# Altium PCB main Var2.PcbDoc (part 2 of 2)
Units mil, origin at the board's own origin, x right, y up, seen from the top; angles counter-clockwise.
Board outline 6000 x 4000 mil, 2 copper layers (Top Layer, Bottom Layer); 262 components, 263 nets, 1037 pads, 23 vias.
Unrouted connection lines stored in the file: 705.
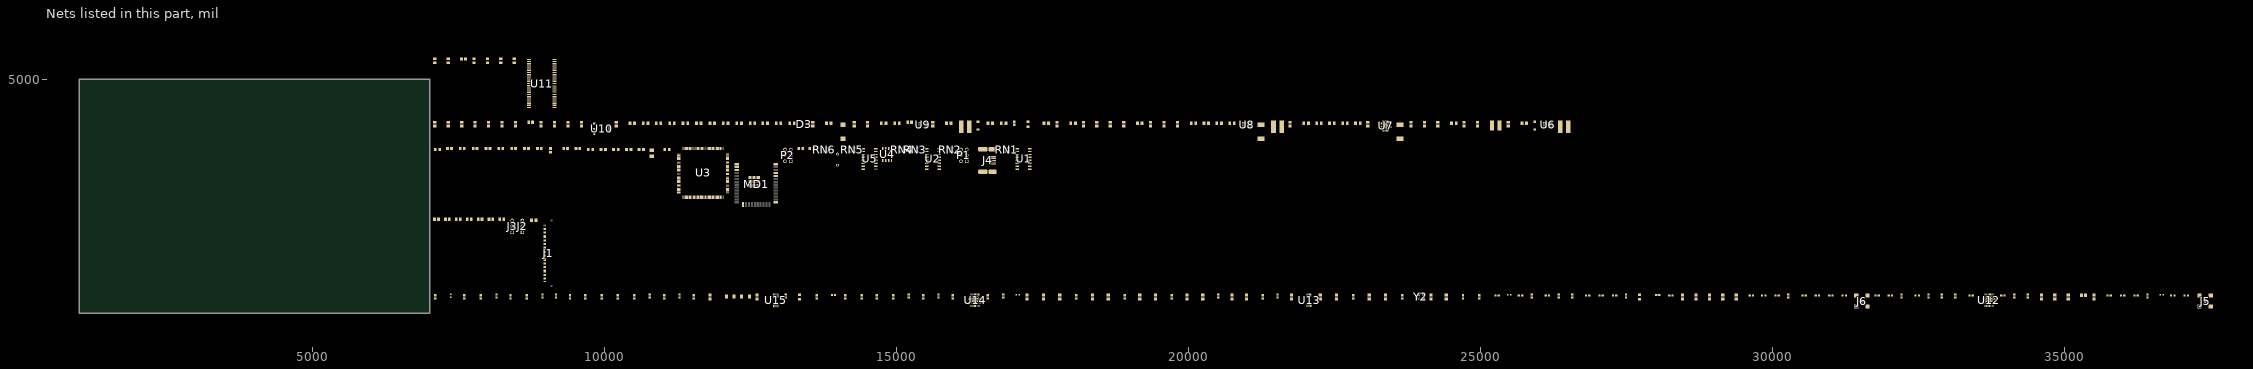
[diagram p2: the nets of this part, all layers, seen from the top]

## Part data
C1 C2 C3 C4 C5 C6 C7 C8 C9 C11 C12 C13 C14 C15 C16 C17 C18 C19 C20 C21 C22 C23 C24 C25 C26 C27 C29 C30 C32 C33 C34 C35 C36 C37 C38 C39 C40 C41 C42 C43 C45 C46 C47 C48 C49 C50 C51 C52 C53 C54 C55 C56 C57 C58 C59 C60 C61 C62 C63 C64 C65 C68 C69 C70 C71 C72 C86 C87 C88 C89 C90 C101 C102 C104 C105 C107 C108 C110 C111 C112 C114 C115 C116 C117 C119 C120 C122 C123 C125 C134 C136: library part CMP-2007-00957-1, Manufacturer=Murata, Part Number=GRM216R61E105KA12D
C10: library part CMP-04424-000155-1, "3.3uF 25V  ±20% 3.7? 1206  SMD Tantalum Capacitor", Capacitance=3.3uF, Case/Package=1206, Case Code (Metric)=3216, ESR (Equivalent Series Resistance)=3.7R, Leakage Current=800nA, Max Operating Temperature=125°C, Min Operating Temperature=-55°C, Package Quantity=2000, Tolerance=20%, Voltage Rating=25V, Case Code (Imperial)=1206, Construction=Flat, Depth=1.6mm, Dissipation Factor=6%, Features="General Purpose", Height=1.8mm, Height - Seated (Max)=0.071inch, Lead Free="Lead Free", Length=3.2mm, Mount="Surface Mount", Number of Pins=2, Packaging="Tape and Reel", Polarity=Polar, Radiation Hardening=No, RoHS Compliant=Yes, Series=TAJ, Termination=SMD/SMT, Voltage Rating (DC)=25V, Weight=0.000571oz, Width=1.6mm
C28 C31: library part CMP-04424-000507-1, "22uF 16V  ±20% 1.1? 2917  SMD Tantalum Capacitor", Capacitance=22uF, Case/Package=2917, Case Code (Metric)=7343, ESR (Equivalent Series Resistance)=1.1R, Leakage Current=3.5uA, Max Operating Temperature=125°C, Min Operating Temperature=-55°C, Package Quantity=1, Tolerance=20%, Voltage Rating=16V, Case Code (Imperial)=2917, Construction=Flat, Depth=4.3mm, Dissipation Factor=6%, Features="General Purpose", Height=3.1mm, Height - Seated (Max)=0.122inch, Lead Free="Lead Free", Length=7.3mm, Mount="Surface Mount", Number of Pins=2, Packaging="Tape and Reel", Polarity=Polar, Q Factor=6, Radiation Hardening=No, REACH SVHC="No SVHC", RoHS Compliant=Yes, Series=TAJ, Termination=SMD/SMT, Voltage Rating (DC)=16V, Width=4.3mm
C44: library part CMP-2000-07541-2, "CAP TANT 100UF 10% 16V 2917", Capacitance=100uF, Case/Package=Molded, Case Code (Imperial)=2917, Case Code (Metric)=7343, Dielectric Material=Tantalum, ESR (Equivalent Series Resistance)=700mR, Leakage Current=16uA, Max Operating Temperature=125°C, Min Operating Temperature=-55°C, Package Quantity=1, Ripple Current=463mA, Tolerance=10%, Voltage=16V, Depth=4.3mm, Dissipation Factor=8%, Features="General Purpose", Height=2.8mm, Height - Seated (Max)=0.122inch, Lead Free="Lead Free", Lead Pitch=3.6mm, Length=7.3mm, Life (Hours)=2000Hour, Mount="Surface Mount", Packaging="Tape and Reel", Polarity=Polar, Radiation Hardening=No, REACH SVHC="No SVHC", RoHS Compliant=Yes, Termination=SMD/SMT, Voltage Rating=16V, Voltage Rating (DC)=16V, Weight=0.023634oz, Width=4.3mm
C66 C67 C82 C83 C139 C145: library part CMP-2100-03642-1, "Chip Capacitor, 10 nF, +/- 10%, 50 V, -55 to 125 degC, 0603 (1608 Metric), RoHS, Tape and Reel", Case/Package=0603, Case Code (Metric)=1608, Dielectric=X7R, Dielectric Material=Ceramic, Insulation Resistance=10GR, Manufacturer=Murata, Max Operating Temperature=125degC, Min Operating Temperature=-55degC, Package Description="2-Pin Surface Mount Device, Body 1.6 x 0.8 mm", Package Quantity=1, Tolerance=10%, Voltage=50V, Capacitance=10nF, Case Code (Imperial)=0603, Datasheet URL=http://search.murata.co.jp/Ceramy/image/img/A01X/G101/ENG/GRM188R71H103KA01-01.pdf, Datasheet Version=42401.0, Depth=0.8mm, Height=0.8mm, Lead Free=LeadFree, Length=1.6mm, Manufacturer URL=http://www.murata.com/, Material=Ceramic, Mount=SurfaceMount, Number of Pins=2, Package Reference=0603, Packaging=TapeandReel, REACH SVHC=Unknown, RoHSCompliant=True, Termination=SMD/SMT, Thickness=0.035inch, Voltage Rating=50V, Voltage Rating (DC)=50V, Width=0.031inch
C73 C74 C75 C76 C77 C78 C79 C80 C81 C84 C85 C91 C92 C93 C94 C95 C96 C97 C98 C99 C100 C103 C106 C109 C113 C118 C121 C124 C126 C127 C128 C129 C130 C131 C132 C133 C135 C137 C138 C140 C141 C142 C143 C144 C146 C147: library part CMP-2100-03642-1, "Chip Capacitor, 10 nF, +/- 10%, 50 V, -55 to 125 degC, 0603 (1608 Metric), RoHS, Tape and Reel", Capacitance=10nF, Case/Package=0603, Case Code (Metric)=1608, Dielectric=X7R, Dielectric Material=Ceramic, Insulation Resistance=10GR, Manufacturer=Murata, Max Operating Temperature=125degC, Min Operating Temperature=-55degC, Package Description="2-Pin Surface Mount Device, Body 1.6 x 0.8 mm", Package Quantity=1, Tolerance=10%, Voltage=50V, Case Code (Imperial)=0603, Datasheet URL=http://search.murata.co.jp/Ceramy/image/img/A01X/G101/ENG/GRM188R71H103KA01-01.pdf, Datasheet Version=42401.0, Depth=0.8mm, Height=0.8mm, Lead Free=LeadFree, Length=1.6mm, Manufacturer URL=http://www.murata.com/, Material=Ceramic, Mount=SurfaceMount, Number of Pins=2, Package Reference=0603, Packaging=TapeandReel, REACH SVHC=Unknown, RoHSCompliant=True, Termination=SMD/SMT, Thickness=0.035inch, Voltage Rating=50V, Voltage Rating (DC)=50V, Width=0.031inch
D1 D2: library part CMP-2000-05114-2, "DIODE SCHOTTKY 40V 500MA SOD123", Average Rectified Current=500mA, Current Rating=500A, Forward Voltage=620mV, Max Forward Surge Current (Ifsm)=5.5A, Max Operating Temperature=125°C, Max Repetitive Reverse Voltage (Vrrm)=40V, Max Reverse Leakage Current=20uA, Min Operating Temperature=-65°C, Package Quantity=3000, Power Dissipation=400mW, Contact Plating=Tin, Element Configuration=Single, Forward Current=500mA, Height=1.03mm, Lead Free="Lead Free", Length=2.7mm, Max Reverse Voltage (DC)=40V, Max Surge Current=5.5A, Mount="Surface Mount", Number of Pins=2, Output Current=500mA, Packaging="Tape and Reel", Peak Non-Repetitive Surge Current=5.5A, Peak Reverse Current=20uA, Polarity=Standard, Radiation Hardening=No, REACH SVHC="No SVHC", Voltage Rating (DC)=40V, Weight=0.03g, Width=1.6mm
D3: library part CMP-1055-00559-1, "Dual Series Schottky Barrier Diodes, 3-Pin SOT-323, Pb-Free, Tape and Reel", Manufacturer="On Semiconductor", ComponentLink1Description="Manufacturer URL", ComponentLink1URL=http://www.onsemi.com/, ComponentLink2Description=Datasheet, ComponentLink2URL=http://www.onsemi.cn/pub_link/Collateral/BAT54SWT1-D.PDF, ComponentLink3Description="Package Specification", ComponentLink3URL=http://www.onsemi.com/pub_link/Collateral/419-04.PDF, Configuration=Dual, DatasheetVersion="Rev. 10", IFSM Max (A)=0.6, Mounting Technology="Surface Mount", PackageDescription="3-Pin Small Outline Transistor, Body 2 x 1.25 mm, Pitch 0.65 mm", PackageReference=SOT-323-3-419-04, PackageVersion="Rev. N, 11/2008", Packing="Tape and Reel", PartNumber=BAT54SWT1G, RoHS=TRUE, trr Max (ns)=5
J1: library part CMP-1241-00514-1, "0.5 mm Pitch Easy-On(TM) Type FPC Connector, 2.0 mm Mated Height, Right Angle, ZIF, SMT, Top Contact, 50 Circuits, -20 to 85 degC, ELV and RoHS Compliant, Tape and Reel", Current (Max per Contact)=0.5A, Manufacturer=Molex, Voltage (Max)=50V, Circuits (Loaded)=50, ComponentLink1Description="Manufacturer URL", ComponentLink1URL=http://www.molex.com/molex/index.jsp, ComponentLink2Description=Datasheet, ComponentLink2URL=http://www.molex.com/webdocs/datasheets/pdf/en-us/0541045031_FFC_FPC_CONNECTORS.pdf, ComponentLink3Description="Package Specification", ComponentLink3URL=http://www.molex.com/pdm_docs/sd/541045031_sd.pdf, Contact Position=Top, Durability (mating cycles max)=20, Entry Angle="90degrees Angle", Mated Height=2.00mm, Material - Metal="Phosphor Bronze", Mounting Technology="Surface Mount", Number of Rows=1, Orientation="Right Angle", PackageDescription="50-Lead FPC Connector, Pitch 0.5 mm", PackageReference=54104-5031, PackageVersion="Rev. F, 06/2012", Packing="Tape and Reel", PartNumber=54104-5031, PCB Locator=No, PCB Retention=Yes, Pitch - Mating Interface=0.50mm, Polarized to PCB=Yes, RoHS=TRUE, Stackable=No
J2 J3: library part CMP-04776-000653-1, "CONN HEADER VERT 3POS 2.54MM", Color=White, Contact Resistance=10mR, Current Rating=4A, Flammability Rating="UL94 V-0", Insulation Resistance=50GR, Max Operating Temperature=75°C, Max Voltage Rating (AC)=250V, Min Operating Temperature=0°C, Package Quantity=2000, Approvals=UL, Contact Material=Brass, Contact Mating Length=0.295inch, Contact Plating=Gold, Contact Type="Male Pin", Depth=2.34mm, Gender=Male, Glow Wire Compliant=Non-compliant, Halogen Free="Low Halogen", Height=10.79mm, Housing Color=White, Housing Material=Nylon, Lead Free="Lead Free", Length=7.37mm, Max Current Rating=4A, Mount="Through Hole", Number of Circuits=3, Number of Contacts=3, Number of Positions=3, Number of Rows=1, Orientation=Straight, Packaging=Bulk, Pitch=2.54mm, Radiation Hardening=No, Series="KK® 4030", Termination=Solder, Voltage Rating=250V, Voltage Rating (DC)=250V
J4: library part CMP-0411-00002-1, "USB, MINI, SMD, RA KME04-USBMU03A01", Manufacturer=Molex, ComponentLink1Description="Manufacturer URL", ComponentLink1URL=http://www.molex.com/, ComponentLink2Description=Datasheet, ComponentLink2URL=http://www.molex.com/pdm_docs/sd/675031020_sd.pdf, DatasheetVersion="Rev F, 06/2009", Mounting Technology="Surface Mount", PackageDescription="Mini USB Connector, SMT, Righer Angle", PackageReference=67503-1020, PartNumber=67503-1020, Terminal Pitch="0.8 mm"
J5 J6: library part CMP-04764-000006-1, "CONN SMA JACK STR 50 OHM SMD", Frequency=18GHz, Manufacturer=Molex, Manufacturer Part Number=73251-1350, Temperature="-65°C to +165°C", Temperature Range High=+165°C, Temperature Range Low=-65°C, Voltage Rating=500V, Automotive=No, Category=Conn, ComponentLink2Description=Datasheet, ComponentLink2URL=https://www.molex.com/pdm_docs/sd/732511350_sd.pdf, Conn Orientation=Straight, Contact Material=Gold, Device Class L1=Connectors, Device Class L2="RF / Coaxial Connectors", Device Class L3=unset, Digikey Description="CONN SMA JACK STR 50 OHM SMD", Footprint Url=https://forum.upverter.com/uploads/default/original/3X/d/a/daeafa2ce4908d4fc4e49f0b17d7d2c986fce444.pdf, Height=9.655mm, Impedance=50?, Is Female=yes, Lead Free=Yes, Mouser Description="RF Connectors / Coaxial Connectors SMA ST PCB-JCK STD SMT", Number of Contacts=1, Octopart=https://octopart.com/73251-1350-molex-5414390, Package=73251-1350, RoHS=TRUE, Shielding=true, Standoff Height=0.41mm
L1 L3 L4: library part CMP-0227-00369-1, "SMD Shielded Tiny Power Inductor WE-TPC, L = 3.90 µH", Inductance="3.90 AµH", ComponentLink1Description="Manufacturer Link", ComponentLink1URL=http://www.we-online.com, ComponentLink2Description=Datasheet, ComponentLink2URL=http://www.we-online.de/katalog/media/pdf/7440420039.pdf, DatasheetVersion="ver 6, Aug-2010", PackageDescription="SMD Inductor, 2-Leads, Body 4.8 x 4.8 mm", PackageReference=WE-TPC-4818-M, PackageVersion=2010
L2: library part CMP-0227-00477-1, "SMD Power Inductor WE-PD2, L = 10.0 µH", Inductance="10.0 AµH", ComponentLink1Description="Manufacturer Link", ComponentLink1URL=http://www.we-online.com, ComponentLink2Description=Datasheet, ComponentLink2URL=http://www.we-online.de/katalog/media/pdf/74477310.pdf, DatasheetVersion="ver 1, Oct-2004", PackageDescription="SMD Inductor, 2-Leads, Body 4.5 x 4.0 mm", PackageReference=WE-PD2-S, PackageVersion=2004
L5 L6 L7 L10: library part CMP-06042-004616-1, "Multilayer type RF Inductor 10nH ±5% 0.3? 650mA 0603", Case/Package=0603, Case Code (Metric)=1608, Current=35mA, Current Rating=400mA, DC Resistance (DCR)=300mR, Inductance=10nH, Inductance Tolerance=5%, Max Operating Temperature=85°C, Min Operating Temperature=-40°C, Package Quantity=4000, Self Resonant Frequency=3.5GHz, Test Frequency=100MHz, Case Code (Imperial)=0603, Core Material=Air, DC Current=400mA, Depth=0.95mm, Height=0.8mm, Lead Free="Lead Free", Length=1.6mm, Max DC Current=400mA, Military Standard=Not, Mount="Surface Mount", Packaging="Tape and Reel", Q Factor=12, Radiation Hardening=No, REACH SVHC="No SVHC", Shielding=Unshielded, Termination=SMD/SMT, Tolerance=5%, Width=0.031inch
L8 L9: library part CMP-0221-00030-1, "SMD-Multilayer Inductor WE-MI, L = 10.00 µH", Inductance="10.00 AµH", ComponentLink1Description="Manufacturer Link", ComponentLink1URL=http://www.we-online.com, ComponentLink2Description=Datasheet, ComponentLink2URL=http://www.we-online.de/katalog/media/pdf/7447918.pdf, DatasheetVersion="ver 5, Oct-2004", PackageDescription="Chip Inductor, 2-Leads, Body 3.2 x 2.5 mm", PackageReference=SMD-1210, PackageVersion=2007
LED1 LED2 LED3: library part CMP-1426-00011-1, "SMD mono-color Chip LED, WL-SMCW, Red", Color=Red, Manufacturer="Wuerth Elektronik", PartNumber=150080RS75000, ComponentLink1Description="Manufacturer URL", ComponentLink1URL=http://www.we-online.com, ComponentLink2Description=Datasheet, ComponentLink2URL=http://katalog.we-online.com/led/datasheet/150080RS75000.pdf, PackageReference=0805_A
MD1: library part CMP-194065-000008-1, "RX TXRX MOD WIFI SURFACE MOUNT", Case/Package=SMD/SMT, Frequency=2.5GHz, Max Operating Temperature=85°C, Min Operating Temperature=-40°C, Operating Supply Voltage=3.6V, Package Quantity=550, Data Rate=150Mbps, Mount="Surface Mount", Packaging="Cut Tape", Sensitivity=-98dBm, Weight=0.088185oz
P1 P2: library part CMP-1024-00336-5, "Male Header, Pitch 2.54 mm, 2 x 3 Position, Height 8.38 mm, Tail Length 5.08 mm, -55 to 125 degC, RoHS, Bulk", Manufacturer=Samtec, Max Operating Temperature="125 degC", Min Operating Temperature="-55 degC", ComponentLink1Description="Manufacturer URL", ComponentLink1URL=http://www.samtec.com/, ComponentLink2Description=Datasheet, ComponentLink2URL=https://datasheet.ciiva.com/25618/0900766b81154476-25618436.pdf, ComponentLink3Description="Package Specification", ComponentLink3URL=http://suddendocs.samtec.com/prints/tsw-xxx-xx-x-x-xx-xxx-footprint.pdf, DatasheetVersion=04/2012, Lead Pitch="2.54 mm", Mount="Through Hole", Mounting Technology="Through Hole", PackageDescription="Male Header, Pitch 2.54 mm, 2 x 3 Position, Height 8.38 mm, Tail Length 5.08 mm", PackageReference=TSW-103-08-L-D, RoHSCompliant=true
R1 R2 R3 R4 R5 R6 R7 R8 R9 R10 R11 R12 R13 R14 R15 R16 R17 R18 R19 R20 R21 R22 R24 R25 R26 R27 R28 R29 R30 R31 R32 R33 R34 R35 R36 R37 R38 R39 R40 R41 R42: library part CMP-2100-03671-1, "Chip Resistor, 1 KOhm, +/- 1%, 125 mW, -55 to 155 degC, 0805 (2012 Metric), RoHS, Tape and Reel", Case/Package=0805, Case Code (Metric)=2012, Manufacturer=Yageo, Max Operating Temperature=155degC, Max Power Dissipation=125mW, Min Operating Temperature=-55degC, Package Description="2-Pin Surface Mounted Device, Body 2 x 1.25 mm", Package Quantity=1, Resistance=1KOhm, Temperature Coefficient=100ppm/degreesC, Tolerance=1%, Voltage Rating=150V, Case Code (Imperial)=0805, Composition=ThickFilm, Datasheet URL=http://www.yageo.com/NewPortal/yageodocoutput?fileName=/pdf/R-Chip/PYu-RC_Group_51_RoHS_L_5.pdf, Datasheet Version="Rev. 5, 10/2016", Depth=1.25mm, Height=0.024inch, Lead Free=LeadFree, Length=0.079inch, Manufacturer URL=http://www.yageo.com/, Military Standard=Not, Number of Pins=2, Number of Terminations=2, Package Reference=0805, Packaging=TapeandReel, Power Rating=125mW, REACH SVHC=Unknown, RoHSCompliant=true, Termination=SMD/SMT, Voltage Rating (DC)=150V, Width=0.049inch
R23 R43 R44 R45 R46 R47 R48 R49 R50 R51 R52 R53 R54 R55 R56 R57 R58 R59 R60 R61 R62 R63 R64 R65 R66 R67: library part CMP-2000-02744-1, Manufacturer=Susumu, Part Number=RR0816P-753-B-T5
RN1 RN2 RN3 RN4 RN5 RN6: library part CMP-06828-000007-1, "RES ARRAY 4 RES 22 OHM 1206", Case/Package=Molded, Max Operating Temperature=125°C, Min Operating Temperature=-55°C, Number of Resistors=4, Package Quantity=5000, Power Dissipation=63mW, Power Rating=250mW, Resistance=22R, Temperature Coefficient=200ppm/°C, Tolerance=5%, Voltage Rating=50V, Circuit Type=Isolated, Contact Plating=Tin, Depth=1.6mm, Height=0.6mm, Lead Free="Lead Free", Length=3.2mm, Military Standard=Not, Mount="Surface Mount", Number of Elements=4, Number of Pins=8, Number of Terminals=8, Packaging="Tape and Reel", Power Per Element=63mW, Radiation Hardening=No, Terminal Pitch=0.8mm, Termination=Concave
U1 U2 U5: library part CMP-0780-00037-4, "IC 8BIT SHIFT REG 3ST-OUT 16SOIC", Ambient Temperature Range High=+85°C, Ambient Temperature Range Low=-40°C, Frequency=29MHz, Manufacturer="Texas Instruments", Max Junction Temp=+150°C, Max Supply Voltage=6V, Min Supply Voltage=2V, Nominal Supply Current=80uA, Package=D0016A, Temperature="-40°C to +85°C", Automotive=No, Category=IC, ComponentLink2Description=Datasheet, ComponentLink2URL=http://www.ti.com/lit/ds/symlink/sn74hc595.pdf, Device Class L1="Integrated Circuits (ICs)", Device Class L2="Logic ICs", Device Class L3="Shift Registers", Digikey Description="IC 8BIT SHIFT REG 3ST-OUT 16SOIC", Height=1.75mm, Ipc Land Pattern Name=SOIC127P600X175-16, Lead Free=Yes, Manufacturer Part Number=SN74HC595DR, Mouser Description="Counter Shift Registers 8bit Shift", Number of Circuits=1, Number Of Inputs=1, Number of Outputs=9, Octopart=https://octopart.com/sn74hc595dr-texas+instruments-500634, Propagation Delay=43ns, RoHS=TRUE, Standoff Height=0.1mm, Temperature Range High=+85°C, Temperature Range Low=-40°C
U3: library part CMP-12105-000074-1, "IC MCU 32BIT 2MB FLASH 144LQFP", Ambient Temperature Range High=+85°C, Ambient Temperature Range Low=-40°C, Frequency=216MHz, Manufacturer=STMicroelectronics, Max Junction Temp=+105°C, Max Supply Voltage=3.6V, Min Supply Voltage=1.7V, Package=LQFP144-1A, Temperature="-40°C to +85°C", Automotive=No, Category=IC, ComponentLink2Description=Datasheet, ComponentLink2URL=https://www.st.com/resource/en/datasheet/stm32f767zi.pdf, Core Architecture="ARM Cortex-M7", Data Bus Width=32bits, Device Class L1="Integrated Circuits (ICs)", Device Class L2="Embedded Processors and Controllers", Device Class L3=Microcontrollers, Digikey Description="IC MCU 32BIT 2MB FLASH 144LQFP", Height=1.6mm, Interface=I2C,SPI,UART,USART,EBI/EMI,CAN,USB,LIN,IrDA,Ethernet,I2S, Ipc Land Pattern Name=QFP50P2200X2200X160-144, Lead Free=Yes, Manufacturer Part Number=STM32F767ZIT6, Memory Size=2048KBytes, Memory Type=FLASH, Mouser Description="ARM Microcontrollers - MCU High-performance and DSP with FPU, ARM Cortex-M7 MCU with 2 Mbytes Flash, 216 MHz CPU, Art Accelerator, L1 cache, SDRAM,", Number Of A/D Converters=3, Number Of Adc Channels=24, Number Of Cores=1, Number Of Ethernet Channels=1, Number Of I2C Channels=4, Number Of I/Os=114, Number Of Pwm Channels=4, Number Of Spi Channels=6, Number Of Timers/Counters=15, Number Of Uart Channels=4, Number Of Usb Channels=1, Octopart=https://octopart.com/stm32f767zit6-stmicroelectronics-70527068, Ram Size=512KBytes, RoHS=TRUE, Standoff Height=0.05mm, Temperature Range High=+85°C, Temperature Range Low=-40°C
U4: library part CMP-12142-000008-1, "IC EEPROM 256K SPI 20MHZ 8SO", Ambient Temperature Range High=+85°C, Ambient Temperature Range Low=-40°C, Frequency=20MHz, Manufacturer=STMicroelectronics, Max Supply Voltage=5.5V, Min Supply Voltage=2.5V, Nominal Supply Current=2-5mA, Package=SO8N-SO-A, Temperature="-40°C to +85°C", Access Time=60ns, Automotive=No, Category=IC, ComponentLink2Description=Datasheet, ComponentLink2URL=https://www.st.com/resource/en/datasheet/m95256-w.pdf, Device Class L1="Integrated Circuits (ICs)", Device Class L2=Memory, Device Class L3=EEPROM, Digikey Description="IC EEPROM 256K SPI 20MHZ 8SO", Height=1.75mm, Interface=SPI, Ipc Land Pattern Name=SOIC127P600X175-8, Lead Free=Yes, Manufacturer Part Number=M95256-WMN6TP, Memory Size=256Kbits, Memory Type=EEPROM, Mouser Description="EEPROM 2.5 V to 5.5V 256k", Octopart=https://octopart.com/m95256-wmn6tp-stmicroelectronics-842801, RoHS=TRUE, Standoff Height=0.1mm, Temperature Range High=+85°C, Temperature Range Low=-40°C
U6 U8: library part CMP-04918-000412-1, "IC REG BUCK ADJ 2A TSOT23-6", Case/Package=SOT-23-6, Max Input Voltage=17V, Max Operating Temperature=125°C, Max Output Voltage=7V, Min Input Voltage=4.5V, Min Operating Temperature=-40°C, Min Output Voltage=768mV, Output Current=2A, Quiescent Current=400uA, Switching Frequency=580kHz, Lead Free="Lead Free", Mount="Surface Mount", Number of Outputs=1, Output Configuration=Positive, Output Type=Adjustable, Packaging="Tape and Reel", RoHS Compliant=Yes, Synchronous Rectifier=Yes
U7: library part CMP-0388-00558-1, "4-Channel LCD Bias with Fully Integrated Postive Charge Pump, 3.3 V LDO Controller, 2.7 to 5.8 V, -40 to 85 degC, 24-pin QFN (RGE24), Green (RoHS & no Sb/Br)", Manufacturer="Texas Instruments", Rating=Catalog, Switching Frequency(Typ)(kHz)=1600, Code_JEDEC=MO-220, ComponentLink1Description="Manufacturer URL", ComponentLink1URL=http://www.ti.com/, ComponentLink2Description=Datasheet, ComponentLink2URL=http://www.ti.com/general/docs/lit/getliterature.tsp?genericPartNumber=TPS65100&fileType=pdf, ComponentLink3Description="Package Specification", ComponentLink3URL=http://www.ti.com/litv/pdf/mpqf124f, DatasheetVersion=SLVS496C, Eco-Plan="Green (RoHS & no Sb/Br)", Iout(Max)(A)=0.02, Iq(Typ)(mA)=0.7, Mounting Technology="Surface Mount", PackageDescription="24-Pin Plastic Flat Pack, Body 4 x 4 mm, 0.5 mm Pitch", PackageReference=RGE24-2450X2450TP, PackageVersion=4204104/G, PartNumber=TPS65100RGERG4, SubFamily="LCD/OLED Display Bias Solutions", Topology="Boost, Inverting Buck/Boost", Vin(Max)(V)=5.8, Vin(Min)(V)=2.7
U9: library part CMP-0388-00113-2, "28 V, 400 mA Switch Boost Converter for White LED Applications, 1.8 to 6 V, -40 to 85 degC, 5-pin SOT23 (DBV5), Green (RoHS & no Sb/Br)", Manufacturer="Texas Instruments", Rating=Catalog, Switching Frequency(Max)(kHz)=1000, Code_JEDEC=MO-178, ComponentLink1Description="Manufacturer URL", ComponentLink1URL=http://www.ti.com/, ComponentLink2Description=Datasheet, ComponentLink2URL=http://www.ti.com/general/docs/lit/getliterature.tsp?genericPartNumber=TPS61040&fileType=pdf, ComponentLink3Description="Package Specification", ComponentLink3URL=http://www.ti.com/litv/pdf/mpds018i, DatasheetVersion=SLVS413F, Dimming=TRUE, Eco-Plan="Green (RoHS & no Sb/Br)", Iout(Max)(A)=0.09, Iq(Typ)(mA)=0.028, Mounting Technology="Surface Mount", PackageDescription="5-Pin Plastic Small Outline, Body 1.60 A?aˆ” 2.90 mm, Pitch 0.95 mm", PackageReference=DBV0005A, PackageVersion=4073253-4/K, PartNumber=TPS61040DBVR, SubFamily="White LED Driver", Topology=Boost, Vin(Max)(V)=6, Vin(Min)(V)=1.8
U10: library part CMP-209535-000002-1, "1A LOW DROPOUT VOLTAGE REGULATOR", RoHS Compliant=Yes
U11: library part CMP-2000-05232-1, "256 Mb PC133 SDR SDRAM, 16 Mb x 16, 3 to 3.6 V, 0 to 70 degC, 54-Pin TSOP (TG), Pb-Free", Manufacturer=Micron, Maximum Operating Supply Voltage=3.6V, Maximum Operating Temperature=+70degC, Minimum Operating Supply Voltage=3V, Minimum Operating Temperature=0degC, Package Description="54-Pin Thin Small Outline Package, Body 10.2 x 22.3 mm, Pitch 0.8 mm", Package Reference=TG-54, Package Type=TSOP, Package Version="Rev.W, 05/2012", Address Bus Width=15bit, Data Bus Width=16bit, Datasheet URL=https://www.micron.com/~/media/documents/products/data-sheet/dram/256mb_sdr.pdf, Datasheet Version="Rev. W, 05/2015", Dimensions=22.22x10.16x1.2mm, Height=1.2mm, Length=22.22mm, Manufacturer URL=https://www.micron.com/, Maximum Random Access Time=6ns, Memory Size=256MB, Mounting Type=SurfaceMount, Number of Bits per Word=16bit, Number of Words=16M, Organisation=16Mx16bit, Package URL=https://www.micron.com/~/media/documents/products/data-sheet/dram/256mb_sdr.pdf, Pin Count=54, Width=10.16mm
U12 U14: library part CMP-0287-00014-1, "Wideband Synthesizer with Integrated VCO, CP-32-2, Pb-Free, 490 Tray", Frequency Range=35MHz-4.4GHz, Supply Current=110mA, Code_JEDEC=MO-220-VHHD-2, ComponentLink1Description="Manufacturer URL", ComponentLink1URL=www.analog.com, ComponentLink2Description=Datasheet, ComponentLink2URL=http://www.analog.com/static/imported-files/data_sheets/ADF4351.pdf, ComponentLink3Description="Package Specification", ComponentLink3URL=http://www.analog.com/static/imported-files/packages/414143737956480539664569CP_32_2.pdf, DatasheetVersion="Rev. Pr D", Max REFin (MHz)=250MHz, Max RF Input (MHz)=4.4GHz, Norm Phase Noise (dBc/Hz)=-221dBc, PackageDescription="32-Lead Lead Frame Chip Scale Package [LFCSP_VQ]", PackageReference=CP-32-2, PackageVersion=Jan-2005, RF Prescalers=4/5,8/9, Single/Dual=Single
U13: library part CMP-08072-000001-1, "IC CLK GENERATOR 200MHZ 10MSOP", Case/Package=MSOP, Max Frequency=200MHz, Max Operating Temperature=85°C, Min Operating Temperature=-40°C, Operating Supply Current=22mA, Operating Supply Voltage=3.3V, Package Quantity=2500, Input=Crystal, Max Duty Cycle=55%, Mount="Surface Mount", Number of Circuits=2, Number of Outputs=3, Number of Pins=10, Packaging="Tape and Reel", PLL=Yes, RoHS Compliant=Yes, Series=MultiSynth™
U15: library part CMP-0284-00103-1, "Fast, Voltage-Out, DC to 440 MHz, 95 dB Logarithmic Amplifier, 15ns Response Time, RM-8, Pb-Free, 1000 Reel", RF Frequency (MHz)="dc to 440", Supply Current=8mA, Temp Stability (dB)=1dB, Voltage Supply (V)="2.7 to 5.5", Code_JEDEC=MO-187-AA, ComponentLink1Description="Manufacturer URL", ComponentLink1URL=www.analog.com, ComponentLink2Description=Datasheet, ComponentLink2URL=http://www.analog.com/static/imported-files/data_sheets/AD8310.pdf, ComponentLink3Description="Package Specification", ComponentLink3URL=http://www.analog.com/static/imported-files/packages/PKG_PDF/MSOP%28RM%29/RM_8.pdf, DatasheetVersion="Rev. F", Dynamic Range (dB)=100dB, PackageDescription="8-Lead Mini Small Outline Package [MSOP]", PackageReference=RM-8, PackageVersion=Aug-2005, Product Description="High Dynamic Range", Response Time (ns typ)=15ns
Y1: library part CMP-1749-00004-1, "Resistance Weld Thru-Hole Crystal, 12 MHz, +/-30 ppm, -20 to 70 degC, 2-Pin THD, RoHS, Bulk", Case\Package=TO-251-3, Input Capacitance="350 pF", Max Operating Temperature="150 degC", Max Power Dissipation="2.5 W", Min Operating Temperature="-55 degC", Package Quantity=70, ComponentLink1Description="Manufacturer URL", ComponentLink1URL=http://www.foxonline.com/, ComponentLink2Description=Datasheet, ComponentLink2URL=http://www.foxonline.com/pdfs/hc49slf.pdf, DatasheetVersion=Mar-15, Elements=1, Height="6.1 mm", Length="6.6 mm", Mount="Through Hole", PackageDescription="2-Pin Through Hole Device, Body 11.35 x 4.65 mm, Pitch 4.88 mm", PackageReference=FOXSLF-2, Packaging=Rail/Tube, Pins=3, Radiation Hardening=No, Rds On Max="115 mohm", REACH SVHC="No SVHC", RoHSCompliant=true, Typical Rise Time="90 ns", Width="2.3 mm"
Y2: library part CMP-27762-010648-1, "XTAL Oscillator 33.333MHz ±50ppm CMOS 3.3V 4-SMD 3.2mm x 2.5mm", Case/Package=SMD/SMT, Frequency=33.333MHz, Frequency Stability=50ppm, Load Capacitance=15pF, Max Operating Temperature=85°C, Max Supply Current=13mA, Max Supply Voltage=3.465V, Min Operating Temperature=-40°C, Min Supply Voltage=3.135V, Operating Frequency="33.333 MHz", Operating Supply Voltage=3.3V, Package Quantity=1000, Depth=2.5mm, Height=0.047inch, Lead Free="Lead Free", Length=3.2mm, Mount="Surface Mount", Number of Pins=4, Packaging="Tape and Reel", Radiation Hardening=No, REACH SVHC="No SVHC", Series=ASE, Termination=SMD/SMT, Width=0.098inch

## Via types
v1: diameter 19.68, hole 7.87, Top Layer to Bottom Layer, 23 vias

## Nets (pads, with @x,y where several pads share a name; then routed paths per layer and width w, separated by ;. In a path a pad name is that pad's centre, name@x,y a point inside that pad or via, vN(x,y) a via of type N, cw(c..) or ccw(c..) an arc to the next point about the centre after c; other vN are vias at no path point)
+1.8: C47.2 C48.2 C49.2 U10.2 U10.4
+3.3: C1.2 C2.2 C3.2 C4.2 C5.2 C6.2 C7.2 C10.2 C12.2 C13.2 C14.2 C15.2 C16.2 C17.2 C18.2 C19.2 C20.2 C21.2 C33.2 C34.2 C50.2 C51.2 C52.2 C59.2 C60.2 C61.2 C62.2 C63.2 C64.2 C65.2 C68.2 C69.2 C70.2 C71.2 C72.2 C73.2 C74.2 C75.2 C99.2 C101.2 C102.2 C103.2 C104.2 C105.2 C106.2 C107.2 C108.2 C109.2 C111.2 C112.2 C113.2 C116.2 C117.2 C118.2 C122.2 C123.2 C124.2 C147.2 J1.7 J2.1 J3.1 L3.2 L5.1 L6.2 L7.2 L10.2 MD1.2 P1.1 P2.1 P2.2 R1.1 R2.2 R3.2 R4.2 R5.2 R8.1 R19.2 R23.1 R44.2 R58.2 U1.10 U1.16 U2.10 U2.16 U3.6 U3.17 U3.30 U3.33 U3.39 U3.52 U3.62 U3.72 U3.84 U3.95 U3.108 U3.121 U3.131 U3.144 U4.8 U5.10 U5.16 U10.3 U11.1 U11.3 U11.9 U11.14 U11.27 U11.43 U11.49 U12.6 U12.10 U12.26 U12.28 U12.32 U13.1 U13.7 U14.6 U14.10 U14.26 U14.28 U14.32 Y2.4
+5: C23.2 C24.2 C31.2 C44.2 C45.2 C86.2 C87.2 C88.2 C89.2 C90.2 C91.2 C92.2 C93.2 C119.2 C120.2 C121.2 C144.2 C145.2 L1.2 L2.1 L4.1 R9.2 U7.7 U9.5 U15.5 U15.7
+12: C25.2 C26.2 C27.2 C35.2 C36.2 C37.2 U6.3 U8.3
+VL: C42.2 C43.2 D2.1 J1.1 J1.2 R27.2
ADC_MCU: C138.2 R64.2 U3.34 U15.4
AGND: C68.1 C69.1 C70.1 C71.1 C72.1 C73.1 C74.1 C75.1 C78.1 C79.1 C80.1 C81.1 C84.1 C85.1 C86.1 C87.1 C88.1 C89.1 C90.1 C91.1 C92.1 C93.1 C94.1 C95.1 C97.1 C98.1 C114.2 C115.2 C119.1 C120.1 C121.1 C128.1 C129.1 C130.1 C131.1 C132.1 C133.1 C135.1 C136.2 C137.1 C138.1 C140.1 C141.1 C142.1 C143.1 C144.1 C145.1 C146.1 J5.2 J5.3 J5.4 J5.5 J6.2 J6.3 J6.4 J6.5 R43.1 R45.2 R46.2 R48.2 R49.1 R51.1 R55.2 R57.1 R60.1 R63.2 R64.1 R67.2 U12.4 U12.8 U12.9 U12.11 U12.18 U12.21 U12.31 U12.33 U13.8 U14.4 U14.8 U14.9 U14.11 U14.18 U14.21 U14.31 U14.33 U15.2
  other v1: 16296.69,1176.69 16340,1176.69 16383.31,1176.69 33656.69,1176.69 33700,1176.69 33743.31,1176.69 16296.69,1220 16340,1220 16383.31,1220 33656.69,1220 33700,1220 33743.31,1220 16296.69,1263.31 16340,1263.31 16383.31,1263.31 33656.69,1263.31 33700,1263.31 33743.31,1263.31
AVDD_LCD: C28.2 C29.2 D1.1 J1.43 R12.2 R25.1 U7.12
CHECK_LOCK_HET: LED3.2 R62.2 U3.118
CHECK_LOCK_REF: LED2.2 R52.2 U3.119
CLK_HET: U3.74 U12.1 U14.1
CPUOT_HET: C139.2 C143.2 R66.1 U14.7
CPUOT_REF: C96.2 C97.2 R54.1 U12.7
DITH: J1.47 J2.2
DRV: C40.2 U7.21
FMC_A0: U3.10 U11.23
FMC_A1: U3.11 U11.24
FMC_A2: U3.12 U11.25
FMC_A3: U3.13 U11.26
FMC_A4: U3.14 U11.29
FMC_A5: U3.15 U11.30
FMC_A6: U3.50 U11.31
FMC_A7: U3.53 U11.32
FMC_A8: U3.54 U11.33
FMC_A9: U3.55 U11.34
FMC_A10: U3.56 U11.22
FMC_A11: U3.57 U11.35
FMC_BA0: U3.89 U11.20
FMC_BA1: U3.90 U11.21
FMC_CAS: U3.132 U11.17
FMC_CKE: U3.29 U11.37
FMC_CLK: U3.93 U11.38
FMC_CS: U3.44 U11.19
FMC_D0: U3.85 U11.2
FMC_D1: U3.86 U11.4
FMC_D2: U3.114 U11.5
FMC_D3: U3.115 U11.7
FMC_D4: U3.58 U11.8
FMC_D5: U3.59 U11.10
FMC_D6: U3.60 U11.11
FMC_D7: U3.63 U11.13
FMC_D8: U3.64 U11.42
FMC_D9: U3.65 U11.44
FMC_D10: U3.66 U11.45
FMC_D11: U3.67 U11.47
FMC_D12: U3.68 U11.48
FMC_D13: U3.77 U11.50
FMC_D14: U3.78 U11.51
FMC_D15: U3.79 U11.53
FMC_NBL0: U3.141 U11.15
FMC_NBL1: U3.142 U11.39
FMC_RAS: U3.49 U11.18
FMC_WE: U3.26 U11.16
GND: C1.1 C2.1 C3.1 C4.1 C5.1 C6.1 C7.1 C8.2 C9.2 C10.1 C11.2 C12.1 C13.1 C14.1 C15.1 C16.1 C17.1 C18.1 C19.1 C20.1 C21.1 C23.1 C24.1 C25.1 C26.1 C27.1 C28.1 C31.1 C33.1 C34.1 C35.1 C36.1 C37.1 C38.1 C39.2 C41.1 C43.1 C44.1 C45.1 C46.1 C47.1 C48.1 C49.1 C50.1 C51.1 C52.1 C53.1 C54.1 C55.1 C56.1 C57.1 C58.1 C59.1 C60.1 C61.1 C62.1 C63.1 C64.1 C65.1 C101.1 C102.1 C103.1 C104.1 C105.1 C106.1 C107.1 C108.1 C109.1 C111.1 C112.1 C113.1 C116.1 C117.1 C118.1 C122.1 C123.1 C124.1 D3.2 J1.3 J1.4 J1.5 J1.36 J1.38 J1.48 J2.3 J3.3 J4.5 J4.6 J4.7 J4.8 J4.9 LED1.1 LED2.1 LED3.1 MD1.1 MD1.15 MD1.38 MD1.39 P1.2 P1.4 P1.5 P1.6 P2.5 P2.6 R6.2 R7.2 R10.1 R11.1 R18.1 R20.1 R21.1 R29.1 R30.1 R42.1 R45.1 R46.1 R48.1 R50.2 R61.2 U1.8 U1.13 U2.8 U2.13 U3.16 U3.31 U3.38 U3.51 U3.61 U3.83 U3.94 U3.107 U3.120 U3.130 U4.4 U5.8 U5.13 U6.1 U7.2 U7.10 U7.11 U7.18 U7.22 U7.25 U8.1 U9.2 U10.1 U11.6 U11.12 U11.28 U11.41 U11.46 U11.52 U11.54 U12.27 U14.27 Y2.2
  other v1: 23345.47,4175.47 23404.53,4175.47 23375,4205 23345.47,4234.53 23404.53,4234.53
LCD_B0: J1.19 U3.3
LCD_B1: J1.18 U3.127
LCD_B2: J1.17 U3.122
LCD_B3: J1.16 U3.126
LCD_B4: J1.15 U3.102
LCD_B5: J1.14 U3.37
LCD_B6: J1.13 U3.139
LCD_B7: J1.12 U3.140
LCD_CLK: J1.37 U3.92
LCD_DE: J1.9 U3.22
LCD_ENABLE: R15.2 U3.98
LCD_G0: J1.27 U3.4
LCD_G1: J1.26 U3.5
LCD_G2: J1.25 U3.42
LCD_G3: J1.24 U3.99
LCD_G4: J1.23 U3.69
LCD_G5: J1.22 U3.70
LCD_G6: J1.21 U3.97
LCD_G7: J1.20 U3.117
LCD_HS: J1.11 U3.96
LCD_L/R: J1.39 U3.75
LCD_MODE: J1.8 J3.2
LCD_R0: J1.35 U3.128
LCD_R1: J1.34 U3.36
LCD_R2: J1.33 U3.35
LCD_R3: J1.32 U3.46
LCD_R4: J1.31 U3.41
LCD_R5: J1.30 U3.101
LCD_R6: J1.29 U3.47
LCD_R7: J1.28 U3.91
LCD_RESET: J1.44 R1.2 U3.43
LCD_U/D: J1.40 U3.76
LCD_VS: J1.10 U3.40
LE_HET: U3.7 U14.3
LE_REF: U3.8 U12.3
MOSI_HET: U3.27 U12.2 U14.2
Net*1_1: J4.1
Net*6_1: RN5.6
Net*7_1: MD1.25
Net*10_1: C29.1 R14.1 R16.2 U7.4
Net*23_1: U13.9
NetC8_1: C8.1 U3.24 Y1.1
NetC9_1: C9.1 U3.23 Y1.2
NetC22_1: C22.1 U6.6
NetC22_2: C22.2 L1.1 U6.2
NetC30_1: C30.1 U7.20
NetC30_2: C30.2 U7.19
NetC32_1: C32.1 U8.6
NetC32_2: C32.2 L3.1 U8.2
NetC39_1: C39.1 R22.2
NetC40_1: C40.1 D3.3
NetC42_1: C42.1 R28.1 R30.2 U9.3
NetC66_1: C66.1 C67.2 R43.2
NetC66_2: C66.2 J5.1
NetC67_1: C67.1
NetC76_1: C76.1 U12.12
NetC76_2: C76.2 L5.2
NetC77_2: C77.2 U12.29
NetC78_2: C78.2 C81.2 U12.19
NetC79_2: C79.2 C80.2 R44.1 R47.2 R49.2
NetC82_1: C82.1 C83.2 R51.2
NetC82_2: C82.2 J6.1
NetC83_1: C83.1
NetC84_2: C84.2 C85.2 U12.24
NetC94_2: C94.2 C95.2 U12.23
NetC96_1: C96.1 R53.1
NetC100_1: C100.1 Y2.3
NetC110_1: C110.1 R56.2
NetC110_2: C110.2 U13.10
NetC114_1: C114.1
NetC115_1: C115.1
NetC125_1: C125.1
NetC125_2: C125.2 C140.2 L8.1
NetC126_1: C126.1 U14.12
NetC126_2: C126.2 L7.1
NetC127_2: C127.2 U14.29
NetC128_2: C128.2 C131.2 U14.19
NetC129_2: C129.2 C130.2 R58.1 R59.2 R60.2
NetC132_2: C132.2 C133.2 U14.24
NetC134_1: C134.1 U15.8
NetC134_2: C134.2 C142.2 L9.2 R63.1
NetC135_2: C135.2 C137.2 U14.23
NetC136_1: C136.1 U15.1
NetC139_1: C139.1 R65.1
NetC141_2: C141.2 L8.2 L9.1
NetD1_2: D1.2 L2.2 U7.8 U7.9
NetD2_2: D2.2 L4.2 U9.1
NetLED1_2: LED1.2 R23.2
NetMD1_3: MD1.3 R2.1
NetMIX1_4: 
NetMIX1_5: 
NetP2_3: P2.3 U4.3
NetP2_4: P2.4 U4.7
NetR3_1: R3.1 U3.32
NetR6_1: R6.1 U3.143
NetR7_1: R7.1 U3.138
NetR9_1: R9.1 R11.2 U6.4
NetR10_2: R10.2 U6.5
NetR12_1: R12.1 R13.2
NetR13_1: R13.1 R14.2
NetR15_1: R15.1 U7.3
NetR16_1: R16.1 R17.2
NetR17_1: R17.1 R18.2
NetR19_1: R19.1 R21.2 U8.4
NetR20_2: R20.2 U8.5
NetR22_1: R22.1 U7.1
NetR24_1: R24.1 R25.2
NetR26_1: R26.1 R29.2
NetR27_1: R27.1 R28.2
NetR31_1: R31.1 R32.2
NetR32_1: R32.1 R33.2
NetR34_1: R34.1 R35.2
NetR35_1: R35.1 R36.2
NetR37_1: R37.1 R38.2
NetR38_1: R38.1 R39.2
NetR40_1: R40.1 R41.2
NetR41_1: R41.1 R42.2
NetR47_1: R47.1 U12.13
NetR50_1: R50.1 U12.22
NetR52_1: R52.1 U12.25
NetR56_1: R56.1 R57.2
NetR59_1: R59.1 U14.13
NetR61_1: R61.1 U14.22
NetR62_1: R62.1 U14.25
NetRN1_1: RN1.1 U1.15
NetRN1_2: RN1.2 U1.1
NetRN1_3: RN1.3 U1.2
NetRN1_4: RN1.4 U1.3
NetRN2_1: RN2.1 U1.4
NetRN2_2: RN2.2 U1.5
NetRN2_3: RN2.3 U1.6
NetRN2_4: RN2.4 U1.7
NetRN3_1: RN3.1 U2.15
NetRN3_2: RN3.2 U2.1
NetRN3_3: RN3.3 U2.2
NetRN3_4: RN3.4 U2.3
NetRN4_1: RN4.1 U2.4
NetRN4_2: RN4.2 U2.5
NetRN4_3: RN4.3 U2.6
NetRN4_4: RN4.4 U2.7
NetRN5_1: RN5.1 U5.15
NetRN5_2: RN5.2 U5.1
NetRN5_3: RN5.3 U5.2
NetRN5_4: RN5.4 U5.3
NetRN6_1: RN6.1 U5.4
NetRN6_2: RN6.2 U5.5
NetRN6_3: RN6.3 U5.6
NetRN6_4: RN6.4 U5.7
NetU1_9: U1.9 U2.14
NetU2_9: U2.9 U5.14
NetU*1_2: 
NetU*1_3: 
NetU*1_9: 
NetU*2_2: 
NetU*2_9: 
NetU*2_10: 
NetU*3_2: 
NetU*3_10: 
NetU*4_2: 
NetU*5_2: 
OSC_OUT: C77.1 C100.2 C127.1 U13.2
PWM_LED_DISPLAYED: U3.100 U9.4
REF_LCD: C46.2 R39.1 U7.23
RESET_MCU: C11.1 P1.3 R8.2 U3.25
RX_ESP32: MD1.34 U3.136
SCL_SI5351: R5.1 U3.81 U13.4
SDA_SI5351: R4.1 U3.82 U13.5
SHIFT_CLK: U1.11 U2.11 U3.133 U5.11
SHIFT_MOSI: U1.14 U3.123
SPI_FLASH_CS: U3.113 U4.1
SPI_FLASH_MISO: U3.112 U4.5
SPI_FLASH_MOSI: U3.48 U4.2
SPI_FLASH_SCK: U3.111 U4.6
SW_HET: R65.2 R67.1 U14.5
SW_HET1: RN3.7
SW_HET2: RN3.6
SW_HET3: RN3.5
SW_LO1: RN1.8
SW_LO2: RN1.7
SW_LO3: RN1.6
SW_OUT1: RN2.6
SW_OUT2: RN2.5
SW_OUT3: RN3.8
SW_REF: R53.2 R55.1 U12.5
SW_REF1: RN4.5
SW_REF2: RN5.8
SW_REF3: RN5.7
SW_RF1: RN1.5
SW_RF2: RN2.8
SW_RF3: RN2.7
SW_SI1: RN4.8
SW_SI2: RN4.7
SW_SI3: RN4.6
SWCLK: U3.109
SWDIO: U3.105
SWITCH_SHIFT: U1.12 U2.12 U3.88 U5.12
TX_ESP32: MD1.35 U3.137
USB_D_N: J4.2 U3.103
USB_D_P: J4.3 U3.104
V_COM: C41.2 R24.2 R26.2 U7.14
V_FB2: R33.1 R37.2 U7.24
V_FB3: R36.1 R40.2 U7.15
VCOM_LCD: C38.2 J1.6 J1.46 U7.13
VGH_LCD: C55.2 C56.2 C58.2 J1.41 R34.2 U7.16
VGL_LCD: C53.2 C54.2 C57.2 D3.1 J1.42 R31.2
VTUNE_HET: C146.2 R66.2 U14.20
VTUNE_REF: C98.2 R54.2 U12.20
VVCO1: C147.1 L10.1 U14.16 U14.17
VVCO2: C99.1 L6.1 U12.16 U12.17
pads on no net: J1.45 J1.49 J1.50 J1.MP1 J1.MP2 J4.4 J4.X J4.Y MD1.4 MD1.5 MD1.6 MD1.7 MD1.8 MD1.9 MD1.10 MD1.11 MD1.12 MD1.13 MD1.14 MD1.16 MD1.17 MD1.18 MD1.19 MD1.20 MD1.21 MD1.22 MD1.23 MD1.24 MD1.26 MD1.27 MD1.28 MD1.29 MD1.30 MD1.31 MD1.32 MD1.33 MD1.36 MD1.37 RN5.5 RN6.5 RN6.6 RN6.7 RN6.8 U3.1 U3.2 U3.9 U3.18 U3.19 U3.20 U3.21 U3.28 U3.45 U3.71 U3.73 U3.80 U3.87 U3.106 U3.110 U3.116 U3.124 U3.125 U3.129 U3.134 U3.135 U5.9 U7.5 U7.6 U7.17 U11.36 U11.40 U12.14 U12.15 U12.30 U13.3 U13.6 U14.14 U14.15 U14.30 U15.3 U15.6 Y2.1